# Altium PCB SONDE_2.PcbDoc (part 8 of 10) (continued)
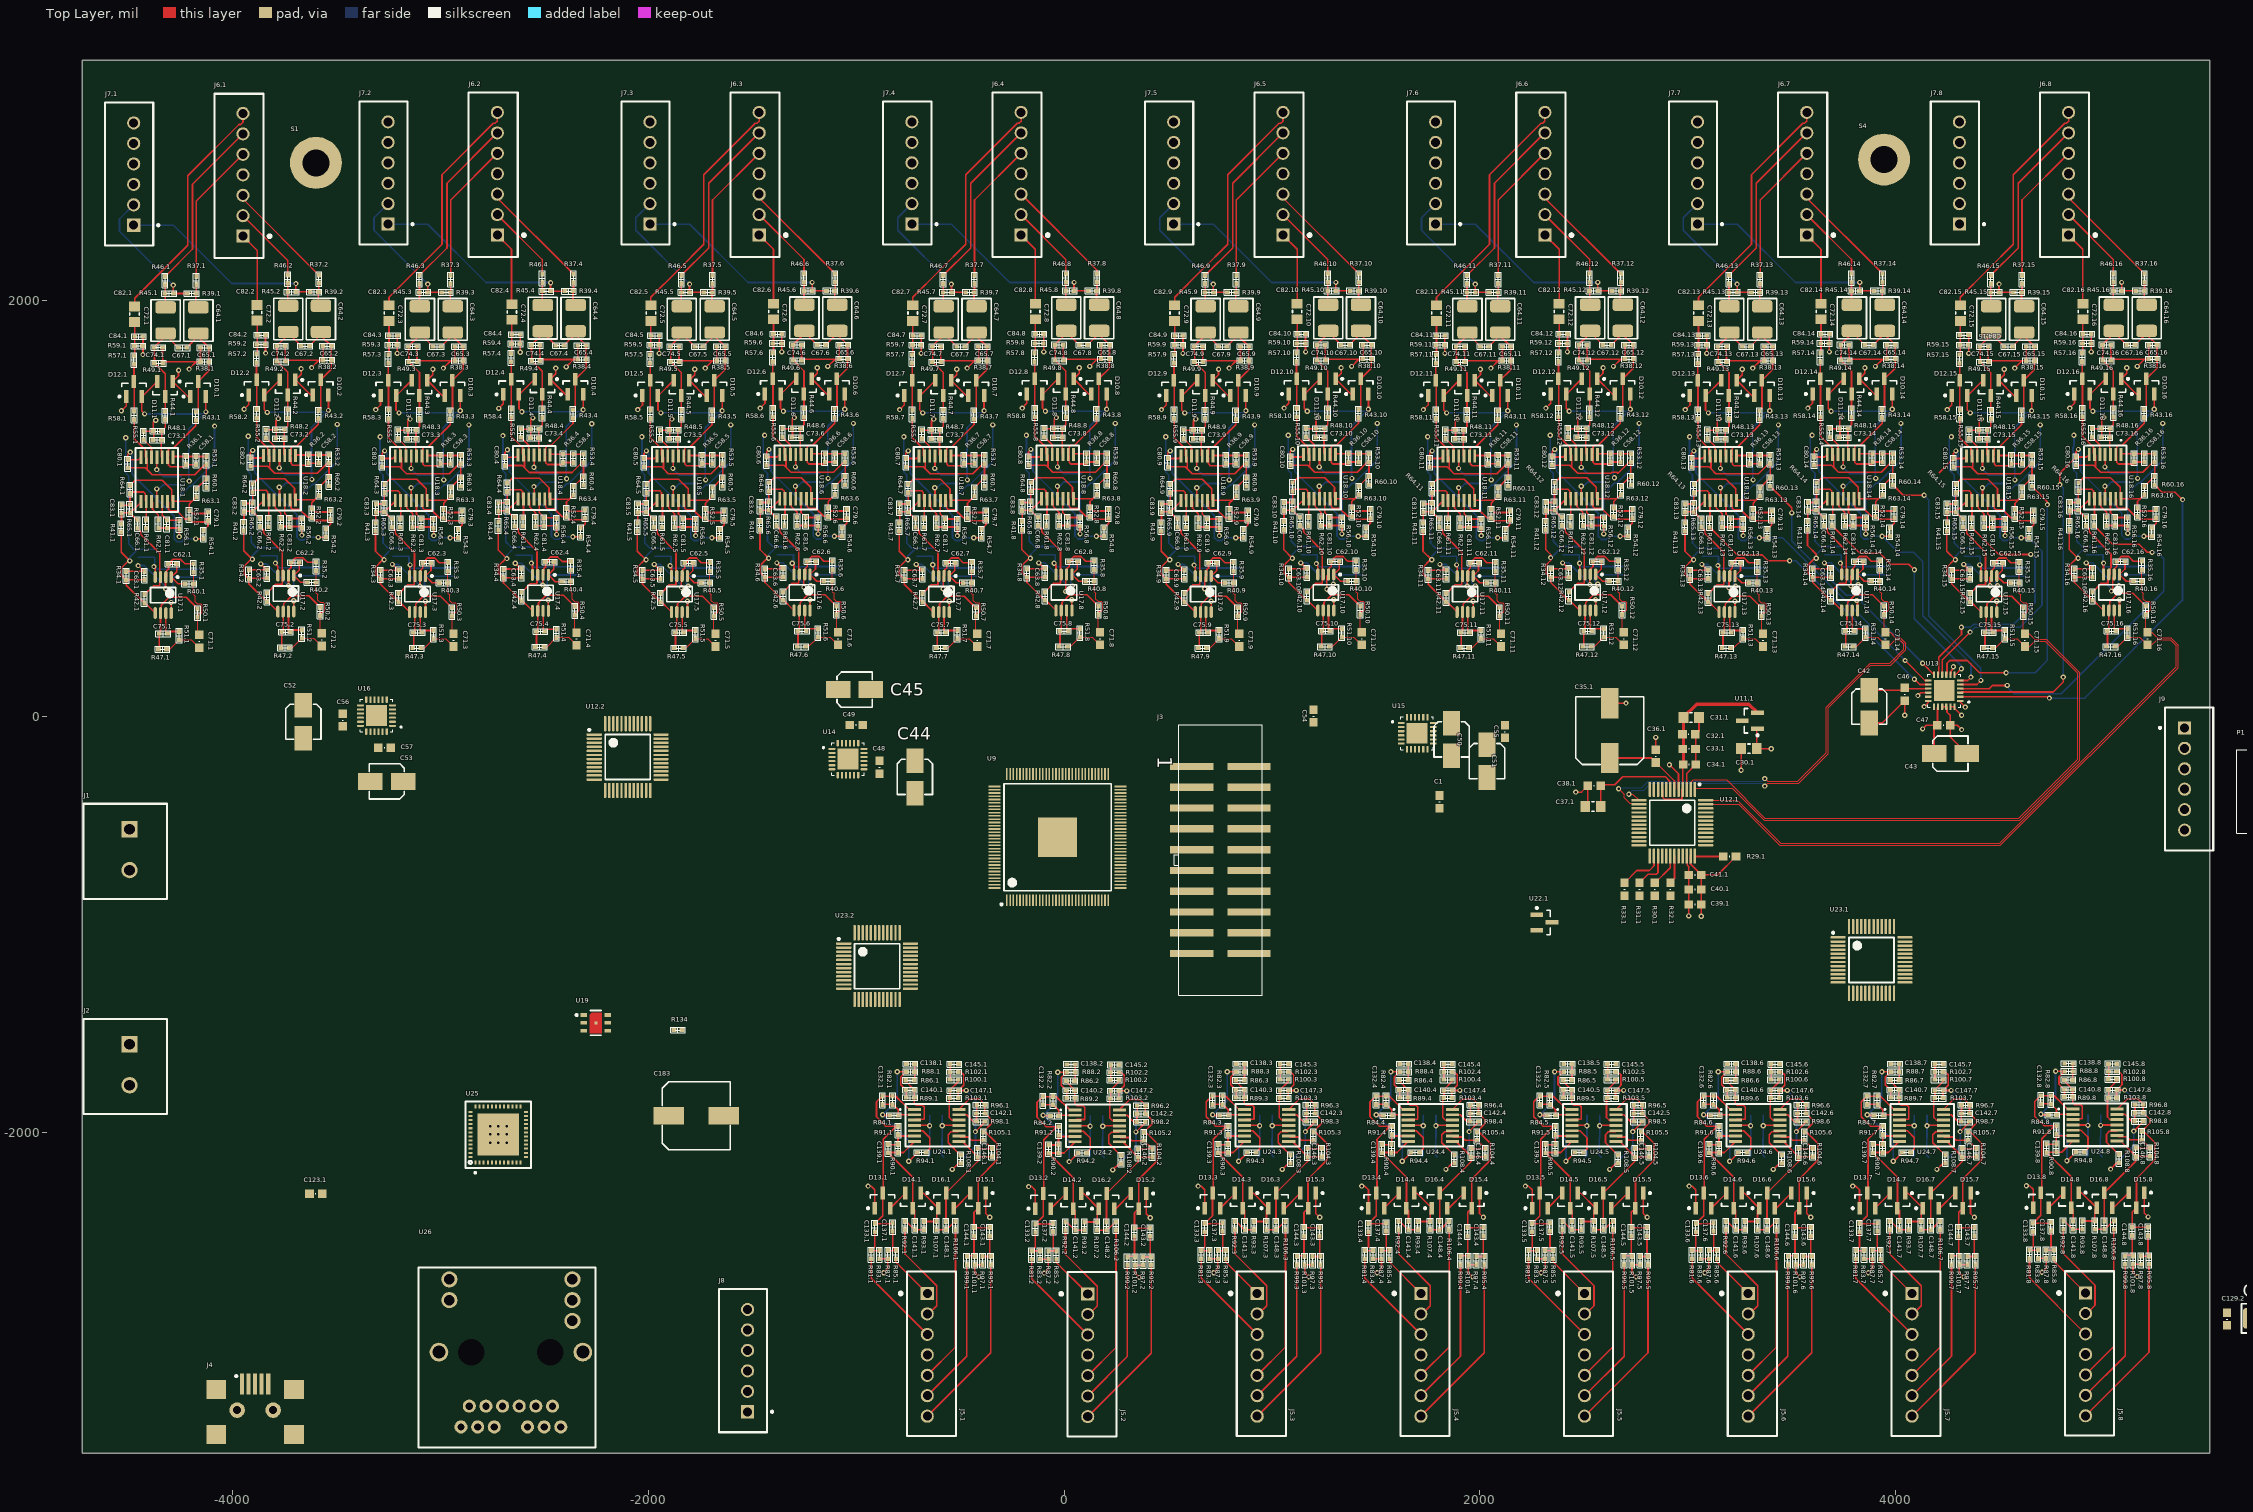
[diagram p0: Top Layer view]
## Nets (pads, with @x,y where several pads share a name; then routed paths per layer and width w, separated by ;. In a path a pad name is that pad's centre, name@x,y a point inside that pad or via, vN(x,y) a via of type N, cw(c..) or ccw(c..) an arc to the next point about the centre after c; other vN are vias at no path point) (continued)
NetC82.1_2: C82.1.2 C84.1.1 R57.1.2 R59.1.1 | length 162.5
  Top Layer w8: R59.1.1@-4472.82,1783.03 R59.1.1@-4471.61,1784.24 ; R57.1.2@-4471.61,1738.95 R59.1.1@-4471.61,1784.24 ; C82.1.2@-4471.61,1898.63 R59.1.1@-4471.61,1784.24 ; R59.1.1@-4470.82,1785.03 R59.1.1@-4471.61,1784.24
NetC82.2_1: C82.2.1 J6.1.1 | length 358.6
  Top Layer w8: J6.1.1@-3950.41,2311.15 -3881.94,2242.68 C82.2.1@-3881.94,1980.91
NetC82.2_2: C82.2.2 C84.2.1 R57.2.2 R59.2.1 | length 162.5
  Top Layer w8: R59.2.1@-3883.15,1790.51 R59.2.1@-3881.94,1791.71 ; R57.2.2@-3881.94,1746.42 R59.2.1@-3881.94,1791.71 ; C82.2.2@-3881.94,1906.11 R59.2.1@-3881.94,1791.71 ; R59.2.1@-3881.15,1792.51 R59.2.1@-3881.94,1791.71
NetC82.3_1: C82.3.1 J6.2.7 | length 1148.9
  Top Layer w8: C82.3.1@-3248.03,1978.57 -3248.03,2017.22 -3116.9,2148.35 -3116.85,2148.35 -2992.94,2272.25 -2992.94,2606.63 -2745.67,2853.91 -2737.63,2853.91 -2726.83,2864.71 J6.2.7@-2726.83,2906.84
NetC82.3_2: C82.3.2 C84.3.1 R57.3.2 R59.3.1 | length 162.5
  Top Layer w8: R59.3.1@-3249.24,1788.17 R59.3.1@-3248.03,1789.38 ; R57.3.2@-3248.03,1744.09 R59.3.1@-3248.03,1789.38 ; C82.3.2@-3248.03,1903.77 R59.3.1@-3248.03,1789.38 ; R59.3.1@-3247.24,1790.17 R59.3.1@-3248.03,1789.38
NetC82.4_1: C82.4.1 J6.2.1 | length 358.6
  Top Layer w8: J6.2.1@-2726.83,2316.28 -2658.36,2247.82 C82.4.1@-2658.36,1986.05
NetC82.4_2: C82.4.2 C84.4.1 R57.4.2 R59.4.1 | length 162.5
  Top Layer w8: R59.4.1@-2658.2,1793.76 R59.4.1@-2657,1794.97 ; R57.4.2@-2657,1749.68 R59.4.1@-2657,1794.97 ; C82.4.2@-2657,1909.36 R59.4.1@-2657,1794.97 ; R59.4.1@-2656.2,1795.76 R59.4.1@-2657,1794.97
NetC82.5_1: C82.5.1 J6.3.7 | length 1148.9
  Top Layer w8: C82.5.1@-1988.19,1978.57 -1988.19,2017.22 -1857.06,2148.35 -1857,2148.35 -1733.1,2272.25 -1733.1,2606.63 -1485.83,2853.91 -1477.79,2853.91 -1466.98,2864.71 J6.3.7@-1466.98,2906.84
NetC82.5_2: C82.5.2 C84.5.1 R57.5.2 R59.5.1 | length 162.5
  Top Layer w8: R59.5.1@-1989.39,1788.17 R59.5.1@-1988.19,1789.38 ; R57.5.2@-1988.19,1744.09 R59.5.1@-1988.19,1789.38 ; C82.5.2@-1988.19,1903.77 R59.5.1@-1988.19,1789.38 ; R59.5.1@-1987.39,1790.17 R59.5.1@-1988.19,1789.38
NetC82.6_1: C82.6.1 J6.3.1 | length 358.6
  Top Layer w8: J6.3.1@-1466.98,2316.28 -1398.52,2247.82 C82.6.1@-1398.52,1986.05
NetC82.6_2: C82.6.2 C84.6.1 R57.6.2 R59.6.1 | length 162.5
  Top Layer w8: R59.6.1@-1399.72,1795.65 R59.6.1@-1398.52,1796.85 ; R57.6.2@-1398.52,1751.56 R59.6.1@-1398.52,1796.85 ; C82.6.2@-1398.52,1911.25 R59.6.1@-1398.52,1796.85 ; R59.6.1@-1397.72,1797.65 R59.6.1@-1398.52,1796.85
NetC82.7_1: C82.7.1 J6.4.7 | length 1148.9
  Top Layer w8: C82.7.1@-728.35,1978.57 -728.35,2017.22 -597.22,2148.35 -597.16,2148.35 -473.26,2272.25 -473.26,2606.63 -225.99,2853.91 -217.94,2853.91 -207.14,2864.71 J6.4.7@-207.14,2906.84
NetC82.7_2: C82.7.2 C84.7.1 R57.7.2 R59.7.1 | length 162.5
  Top Layer w8: R59.7.1@-729.55,1788.17 R59.7.1@-728.35,1789.38 ; R57.7.2@-728.35,1744.09 R59.7.1@-728.35,1789.38 ; C82.7.2@-728.35,1903.77 R59.7.1@-728.35,1789.38 ; R59.7.1@-727.55,1790.17 R59.7.1@-728.35,1789.38
NetC82.8_1: C82.8.1 J6.4.1 | length 358.6
  Top Layer w8: J6.4.1@-207.14,2316.28 -138.67,2247.82 C82.8.1@-138.67,1986.05
NetC82.8_2: C82.8.2 C84.8.1 R57.8.2 R59.8.1 | length 162.5
  Top Layer w8: R59.8.1@-139.88,1795.65 R59.8.1@-138.67,1796.85 ; R57.8.2@-138.67,1751.56 R59.8.1@-138.67,1796.85 ; C82.8.2@-138.67,1911.25 R59.8.1@-138.67,1796.85 ; R59.8.1@-137.88,1797.65 R59.8.1@-138.67,1796.85
NetC82.9_1: C82.9.1 J6.5.7 | length 1148.9
  Top Layer w8: C82.9.1@531.5,1978.57 531.5,2017.22 662.63,2148.35 662.68,2148.35 786.58,2272.25 786.58,2606.63 1033.86,2853.91 1041.9,2853.91 1052.7,2864.71 J6.5.7@1052.7,2906.84
NetC82.9_2: C82.9.2 C84.9.1 R57.9.2 R59.9.1 | length 162.5
  Top Layer w8: R59.9.1@530.29,1788.17 R59.9.1@531.5,1789.38 ; R57.9.2@531.5,1744.09 R59.9.1@531.5,1789.38 ; C82.9.2@531.5,1903.77 R59.9.1@531.5,1789.38 ; R59.9.1@532.29,1790.17 R59.9.1@531.5,1789.38
NetC82.10_1: C82.10.1 J6.5.1 | length 358.6
  Top Layer w8: J6.5.1@1052.7,2316.28 1121.17,2247.82 C82.10.1@1121.17,1986.05
NetC82.10_2: C82.10.2 C84.10.1 R57.10.2 R59.10.1 | length 162.5
  Top Layer w8: R59.10.1@1119.96,1795.65 R59.10.1@1121.17,1796.85 ; R57.10.2@1121.17,1751.56 R59.10.1@1121.17,1796.85 ; C82.10.2@1121.17,1911.25 R59.10.1@1121.17,1796.85 ; R59.10.1@1121.96,1797.65 R59.10.1@1121.17,1796.85
NetC82.11_1: C82.11.1 J6.6.7 | length 1148.9
  Top Layer w8: C82.11.1@1791.34,1978.57 1791.34,2017.22 1922.47,2148.35 1922.52,2148.35 2046.43,2272.25 2046.43,2606.63 2293.7,2853.91 2301.74,2853.91 2312.54,2864.71 J6.6.7@2312.54,2906.84
NetC82.11_2: C82.11.2 C84.11.1 R57.11.2 R59.11.1 | length 162.5
  Top Layer w8: R59.11.1@1790.13,1788.17 R59.11.1@1791.34,1789.38 ; R57.11.2@1791.34,1744.09 R59.11.1@1791.34,1789.38 ; C82.11.2@1791.34,1903.77 R59.11.1@1791.34,1789.38 ; R59.11.1@1792.13,1790.17 R59.11.1@1791.34,1789.38
NetC82.12_1: C82.12.1 J6.6.1 | length 358.6
  Top Layer w8: J6.6.1@2312.54,2316.28 2381.01,2247.82 C82.12.1@2381.01,1986.05
NetC82.12_2: C82.12.2 C84.12.1 R57.12.2 R59.12.1 | length 162.5
  Top Layer w8: R59.12.1@2379.81,1795.65 R59.12.1@2381.01,1796.85 ; R57.12.2@2381.01,1751.56 R59.12.1@2381.01,1796.85 ; C82.12.2@2381.01,1911.25 R59.12.1@2381.01,1796.85 ; R59.12.1@2381.81,1797.65 R59.12.1@2381.01,1796.85
NetC82.13_1: C82.13.1 J6.7.7 | length 1148.9
  Top Layer w8: C82.13.1@3051.18,1978.57 3051.18,2017.22 3182.31,2148.35 3182.37,2148.35 3306.27,2272.25 3306.27,2606.63 3553.54,2853.91 3561.58,2853.91 3572.39,2864.71 J6.7.7@3572.39,2906.84
NetC82.13_2: C82.13.2 C84.13.1 R57.13.2 R59.13.1 | length 162.5
  Top Layer w8: R59.13.1@3049.98,1788.17 R59.13.1@3051.18,1789.38 ; R57.13.2@3051.18,1744.09 R59.13.1@3051.18,1789.38 ; C82.13.2@3051.18,1903.77 R59.13.1@3051.18,1789.38 ; R59.13.1@3051.98,1790.17 R59.13.1@3051.18,1789.38
NetC82.14_1: C82.14.1 J6.7.1 | length 358.6
  Top Layer w8: J6.7.1@3572.39,2316.28 3640.85,2247.82 C82.14.1@3640.85,1986.05
NetC82.14_2: C82.14.2 C84.14.1 R57.14.2 R59.14.1 | length 162.5
  Top Layer w8: R59.14.1@3639.65,1795.65 R59.14.1@3640.85,1796.85 ; R57.14.2@3640.85,1751.56 R59.14.1@3640.85,1796.85 ; C82.14.2@3640.85,1911.25 R59.14.1@3640.85,1796.85 ; R59.14.1@3641.65,1797.65 R59.14.1@3640.85,1796.85
NetC82.15_1: C82.15.1 J6.8.7 | length 1148.9
  Top Layer w8: C82.15.1@4311.02,1978.57 4311.02,2017.22 4442.15,2148.35 4442.21,2148.35 4566.11,2272.25 4566.11,2606.63 4813.38,2853.91 4821.43,2853.91 4832.23,2864.71 J6.8.7@4832.23,2906.84
NetC82.15_2: C82.15.2 C84.15.1 R57.15.2 R59.15.1 | length 162.5
  Top Layer w8: R59.15.1@4309.82,1788.17 R59.15.1@4311.02,1789.38 ; R57.15.2@4311.02,1744.09 R59.15.1@4311.02,1789.38 ; C82.15.2@4311.02,1903.77 R59.15.1@4311.02,1789.38 ; R59.15.1@4311.82,1790.17 R59.15.1@4311.02,1789.38
NetC82.16_1: C82.16.1 J6.8.1 | length 358.6
  Top Layer w8: J6.8.1@4832.23,2316.28 4900.7,2247.82 C82.16.1@4900.7,1986.05
NetC82.16_2: C82.16.2 C84.16.1 R57.16.2 R59.16.1 | length 162.5
  Top Layer w8: R59.16.1@4899.49,1795.65 R59.16.1@4900.7,1796.85 ; R57.16.2@4900.7,1751.56 R59.16.1@4900.7,1796.85 ; C82.16.2@4900.7,1911.25 R59.16.1@4900.7,1796.85 ; R59.16.1@4901.49,1797.65 R59.16.1@4900.7,1796.85
NetC83.1_1: C83.1.1 R61.1.1 R64.1.1 R65.1.2 U18.1.9 | length 309.4
  Top Layer w8: C83.1.1@-4534.84,1017.75 -4496.55,1017.4 R65.1.2@-4494.55,1019.4 -4493.55,1020.4 R64.1.1@-4493.55,1073.03 -4493.55,1080.85 -4428.64,1080.85 -4420.44,1072.65 -4420.44,1040.06 U18.1.9@-4415.74,1035.36 -4415.74,947.22 R61.1.1@-4417.55,945.4
NetC83.2_1: C83.2.1 R61.2.1 R64.2.1 R65.2.2 U18.2.9 | length 309.4
  Top Layer w8: C83.2.1@-3945.17,1025.22 -3906.88,1024.88 R65.2.2@-3904.88,1026.88 -3903.88,1027.88 R64.2.1@-3903.88,1080.51 -3903.88,1088.33 -3838.97,1088.33 -3830.76,1080.13 -3830.76,1047.53 U18.2.9@-3826.06,1042.83 -3826.06,954.7 R61.2.1@-3827.88,952.88
NetC83.3_1: C83.3.1 R61.3.1 R64.3.1 R65.3.2 U18.3.9 | length 309.4
  Top Layer w8: C83.3.1@-3311.26,1022.88 -3272.97,1022.54 R65.3.2@-3270.97,1024.54 -3269.97,1025.54 R64.3.1@-3269.97,1078.17 -3269.97,1085.99 -3205.06,1085.99 -3196.85,1077.79 -3196.85,1045.2 U18.3.9@-3192.15,1040.49 -3192.15,952.36 R61.3.1@-3193.97,950.54
NetC83.4_1: C83.4.1 R61.4.1 R64.4.1 R65.4.2 U18.4.9 | length 309.4
  Top Layer w8: C83.4.1@-2720.23,1028.47 -2681.94,1028.13 R65.4.2@-2679.94,1030.13 -2678.94,1031.13 R64.4.1@-2678.94,1083.76 -2678.94,1091.58 -2614.02,1091.58 -2605.82,1083.38 -2605.82,1050.79 U18.4.9@-2601.12,1046.08 -2601.12,957.95 R61.4.1@-2602.94,956.13
NetC83.5_1: C83.5.1 R61.5.1 R64.5.1 R65.5.2 U18.5.9 | length 309.4
  Top Layer w8: C83.5.1@-2051.42,1022.88 -2013.13,1022.54 R65.5.2@-2011.13,1024.54 -2010.13,1025.54 R64.5.1@-2010.13,1078.17 -2010.13,1085.99 -1945.21,1085.99 -1937.01,1077.79 -1937.01,1045.2 U18.5.9@-1932.31,1040.49 -1932.31,952.36 R61.5.1@-1934.13,950.54
NetC83.6_1: C83.6.1 R61.6.1 R64.6.1 R65.6.2 U18.6.9 | length 309.4
  Top Layer w8: C83.6.1@-1461.74,1030.36 -1423.46,1030.02 R65.6.2@-1421.46,1032.02 -1420.46,1033.02 R64.6.1@-1420.46,1085.65 -1420.46,1093.47 -1355.54,1093.47 -1347.34,1085.27 -1347.34,1052.67 U18.6.9@-1342.64,1047.97 -1342.64,959.84 R61.6.1@-1344.46,958.02
NetC83.7_1: C83.7.1 R61.7.1 R64.7.1 R65.7.2 U18.7.9 | length 309.4
  Top Layer w8: C83.7.1@-791.57,1022.88 -753.29,1022.54 R65.7.2@-751.29,1024.54 -750.29,1025.54 R64.7.1@-750.29,1078.17 -750.29,1085.99 -685.37,1085.99 -677.17,1077.79 -677.17,1045.2 U18.7.9@-672.47,1040.49 -672.47,952.36 R61.7.1@-674.29,950.54
NetC83.8_1: C83.8.1 R61.8.1 R64.8.1 R65.8.2 U18.8.9 | length 309.4
  Top Layer w8: C83.8.1@-201.9,1030.36 -163.62,1030.02 R65.8.2@-161.62,1032.02 -160.62,1033.02 R64.8.1@-160.62,1085.65 -160.62,1093.47 -95.7,1093.47 -87.5,1085.27 -87.5,1052.67 U18.8.9@-82.8,1047.97 -82.8,959.84 R61.8.1@-84.62,958.02
NetC83.9_1: C83.9.1 R61.9.1 R64.9.1 R65.9.2 U18.9.9 | length 309.4
  Top Layer w8: C83.9.1@468.27,1022.88 506.55,1022.54 R65.9.2@508.56,1024.54 509.56,1025.54 R64.9.1@509.56,1078.17 509.56,1085.99 574.47,1085.99 582.67,1077.79 582.67,1045.2 U18.9.9@587.37,1040.49 587.37,952.36 R61.9.1@585.56,950.54
NetC83.10_1: C83.10.1 R61.10.1 R64.1 R65.10.2 U18.10.9 | length 309.4
  Top Layer w8: C83.10.1@1057.94,1030.36 1096.23,1030.02 R65.10.2@1098.23,1032.02 1099.23,1033.02 R64.1@1099.23,1085.65 1099.23,1093.47 1164.14,1093.47 1172.35,1085.27 1172.35,1052.67 U18.10.9@1177.05,1047.97 1177.05,959.84 R61.10.1@1175.23,958.02
NetC83.11_1: C83.11.1 R61.11.1 R64.11.1 R65.11.2 U18.11.9 | length 309.4
  Top Layer w8: C83.11.1@1728.11,1022.88 1766.4,1022.54 R65.11.2@1768.4,1024.54 1769.4,1025.54 R64.11.1@1769.4,1078.17 1769.4,1085.99 1834.31,1085.99 1842.52,1077.79 1842.52,1045.2 U18.11.9@1847.22,1040.49 1847.22,952.36 R61.11.1@1845.4,950.54
NetC83.12_1: C83.12.1 R61.12.1 R64.12.1 R65.12.2 U18.12.9 | length 309.4
  Top Layer w8: C83.12.1@2317.78,1030.36 2356.07,1030.02 R65.12.2@2358.07,1032.02 2359.07,1033.02 R64.12.1@2359.07,1085.65 2359.07,1093.47 2423.99,1093.47 2432.19,1085.27 2432.19,1052.67 U18.12.9@2436.89,1047.97 2436.89,959.84 R61.12.1@2435.07,958.02
NetC83.13_1: C83.13.1 R61.13.1 R64.13.1 R65.13.2 U18.13.9 | length 309.4
  Top Layer w8: C83.13.1@2987.95,1022.88 3026.24,1022.54 R65.13.2@3028.24,1024.54 3029.24,1025.54 R64.13.1@3029.24,1078.17 3029.24,1085.99 3094.16,1085.99 3102.36,1077.79 3102.36,1045.2 U18.13.9@3107.06,1040.49 3107.06,952.36 R61.13.1@3105.24,950.54
NetC83.14_1: C83.14.1 R61.14.1 R64.14.1 R65.14.2 U18.14.9 | length 309.4
  Top Layer w8: C83.14.1@3577.63,1030.36 3615.91,1030.02 R65.14.2@3617.91,1032.02 3618.91,1033.02 R64.14.1@3618.91,1085.65 3618.91,1093.47 3683.83,1093.47 3692.03,1085.27 3692.03,1052.67 U18.14.9@3696.73,1047.97 3696.73,959.84 R61.14.1@3694.91,958.02
NetC83.15_1: C83.15.1 R61.15.1 R64.15.1 R65.15.2 U18.15.9 | length 309.4
  Top Layer w8: C83.15.1@4247.8,1022.88 4286.08,1022.54 R65.15.2@4288.08,1024.54 4289.08,1025.54 R64.15.1@4289.08,1078.17 4289.08,1085.99 4354,1085.99 4362.2,1077.79 4362.2,1045.2 U18.15.9@4366.9,1040.49 4366.9,952.36 R61.15.1@4365.08,950.54
NetC83.16_1: C83.16.1 R61.16.1 R64.16.1 R65.16.2 U18.16.9 | length 309.4
  Top Layer w8: C83.16.1@4837.47,1030.36 4875.75,1030.02 R65.16.2@4877.75,1032.02 4878.75,1033.02 R64.16.1@4878.75,1085.65 4878.75,1093.47 4943.67,1093.47 4951.87,1085.27 4951.87,1052.67 U18.16.9@4956.57,1047.97 4956.57,959.84 R61.16.1@4954.75,958.02
NetC85_2: C85.2 U20.8
NetC86_1: C86.1 U20.1
NetC86_2: C86.2 L6.1 U20.3
NetC88_1: C88.1 L4.2 L5.1 R67.1
NetC92_1: C92.1 C95.1 U20.6
NetC92_2: C92.2 R72.1
NetC96_1: C96.1 R68.2 R71.1 U19.6
NetC97_1: C97.1 R76.2 U9.103
NetC124.1_1: C124.1.1 C125.1.1 U22.1.2 U23.1.4
NetC124.2_1: C124.2.1 C125.2.1 U22.2.2 U23.2.4
NetC126.1_+: C126.1.+ C130.1.1 U23.1.20
NetC126.2_+: C126.2.+ C130.2.1 U23.2.20
NetC128.1_1: C128.1.1 C129.1.1 U23.1.21
NetC128.2_1: C128.2.1 C129.2.1 U23.2.21
NetC132.1_1: C132.1.1 R82.1.2 R84.1.1 U24.1.2 | length 193.1
  Top Layer w8: C132.1.1@-873.39,-1865.15 R82.1.2@-825.08,-1865.15 -798.39,-1891.83 R84.1.1@-798.39,-1918.46 -795.21,-1915.28 U24.1.2@-719.31,-1915.28
NetC132.1_2: C132.1.2 C133.1.1 C137.1.1 D13.1.3 R82.1.1 R91.1.2 R130.2 U24.1.1 | length 1015.3
  Top Layer w8: C137.1.1@-825.08,-2435.5 -828.35,-2438.78 C133.1.1@-910.79,-2438.78 -873.39,-2401.37 D13.1.3@-873.39,-2292.04 -869.92,-2288.57 -869.92,-2032.96 R91.1.2@-807.73,-1970.78 ; R91.1.2@-798.08,-1970.78 R91.1.2@-807.73,-1970.78 ; U24.1.1@-719.31,-1889.69 -745.85,-1889.69 -809.76,-1825.78 R82.1.1@-825.08,-1825.78 C132.1.2@-873.39,-1825.78 -875.48,-1825.78 -903.08,-1853.38 -903.08,-1925.46 -857.76,-1970.78 R91.1.2@-807.73,-1970.78
NetC132.2_1: C132.2.1 R82.2.2 R84.2.1 U24.2.2 | length 193.1
  Top Layer w8: C132.2.1@-101.31,-1867.23 R82.2.2@-53,-1867.23 -26.31,-1893.91 R84.2.1@-26.31,-1920.54 -23.13,-1917.36 U24.2.2@52.76,-1917.36
NetC132.2_2: C132.2.2 C133.2.1 C137.2.1 D13.2.3 R82.2.1 R91.2.2 U24.2.1 | length 1015.3
  Top Layer w8: C137.2.1@-53,-2437.58 -56.28,-2440.86 C133.2.1@-138.72,-2440.86 -101.31,-2403.46 D13.2.3@-101.31,-2294.13 -97.84,-2290.65 -97.84,-2035.05 R91.2.2@-35.65,-1972.86 ; R91.2.2@-26,-1972.86 R91.2.2@-35.65,-1972.86 ; U24.2.1@52.76,-1891.77 26.23,-1891.77 -37.68,-1827.86 R82.2.1@-53,-1827.86 C132.2.2@-101.31,-1827.86 -103.4,-1827.86 -131,-1855.46 -131,-1927.54 -85.69,-1972.86 R91.2.2@-35.65,-1972.86
NetC132.3_1: C132.3.1 R82.3.2 R84.3.1 U24.3.2 | length 193.1
  Top Layer w8: C132.3.1@713.86,-1865.15 R82.3.2@762.18,-1865.15 788.86,-1891.83 R84.3.1@788.86,-1918.46 792.04,-1915.28 U24.3.2@867.94,-1915.28
NetC132.3_2: C132.3.2 C133.3.1 C137.3.1 D13.3.3 R82.3.1 R91.3.2 U24.3.1 | length 1015.3
  Top Layer w8: C137.3.1@762.18,-2435.5 758.9,-2438.78 C133.3.1@676.46,-2438.78 713.86,-2401.37 D13.3.3@713.86,-2292.04 717.33,-2288.57 717.33,-2032.96 R91.3.2@779.52,-1970.78 ; R91.3.2@789.18,-1970.78 R91.3.2@779.52,-1970.78 ; U24.3.1@867.94,-1889.69 841.4,-1889.69 777.49,-1825.78 R82.3.1@762.18,-1825.78 C132.3.2@713.86,-1825.78 711.78,-1825.78 684.18,-1853.38 684.18,-1925.46 729.49,-1970.78 R91.3.2@779.52,-1970.78
NetC132.4_1: C132.4.1 R82.4.2 R84.4.1 U24.4.2 | length 193.1
  Top Layer w8: C132.4.1@1501.26,-1865.15 R82.4.2@1549.58,-1865.15 1576.26,-1891.83 R84.4.1@1576.26,-1918.46 1579.44,-1915.28 U24.4.2@1655.34,-1915.28
NetC132.4_2: C132.4.2 C133.4.1 C137.4.1 D13.4.3 R82.4.1 R91.4.2 U24.4.1 | length 1015.3
  Top Layer w8: C137.4.1@1549.58,-2435.5 1546.3,-2438.78 C133.4.1@1463.86,-2438.78 1501.26,-2401.37 D13.4.3@1501.26,-2292.04 1504.74,-2288.57 1504.74,-2032.96 R91.4.2@1566.92,-1970.78 ; R91.4.2@1576.58,-1970.78 R91.4.2@1566.92,-1970.78 ; U24.4.1@1655.34,-1889.69 1628.81,-1889.69 1564.89,-1825.78 R82.4.1@1549.58,-1825.78 C132.4.2@1501.26,-1825.78 1499.18,-1825.78 1471.58,-1853.38 1471.58,-1925.46 1516.89,-1970.78 R91.4.2@1566.92,-1970.78
NetC132.5_1: C132.5.1 R82.5.2 R84.5.1 U24.5.2 | length 193.1
  Top Layer w8: C132.5.1@2288.66,-1865.15 R82.5.2@2336.98,-1865.15 2363.66,-1891.83 R84.5.1@2363.66,-1918.46 2366.85,-1915.28 U24.5.2@2442.74,-1915.28
NetC132.5_2: C132.5.2 C133.5.1 C137.5.1 D13.5.3 R82.5.1 R91.5.2 U24.5.1 | length 1015.3
  Top Layer w8: C137.5.1@2336.98,-2435.5 2333.7,-2438.78 C133.5.1@2251.26,-2438.78 2288.66,-2401.37 D13.5.3@2288.66,-2292.04 2292.14,-2288.57 2292.14,-2032.96 R91.5.2@2354.33,-1970.78 ; R91.5.2@2363.98,-1970.78 R91.5.2@2354.33,-1970.78 ; U24.5.1@2442.74,-1889.69 2416.21,-1889.69 2352.29,-1825.78 R82.5.1@2336.98,-1825.78 C132.5.2@2288.66,-1825.78 2286.58,-1825.78 2258.98,-1853.38 2258.98,-1925.46 2304.29,-1970.78 R91.5.2@2354.33,-1970.78
NetC132.6_1: C132.6.1 R82.6.2 R84.6.1 U24.6.2 | length 193.1
  Top Layer w8: C132.6.1@3076.07,-1865.15 R82.6.2@3124.38,-1865.15 3151.07,-1891.83 R84.6.1@3151.07,-1918.46 3154.25,-1915.28 U24.6.2@3230.14,-1915.28
NetC132.6_2: C132.6.2 C133.6.1 C137.6.1 D13.6.3 R82.6.1 R91.6.2 U24.6.1 | length 1015.3
  Top Layer w8: C137.6.1@3124.38,-2435.5 3121.11,-2438.78 C133.6.1@3038.66,-2438.78 3076.07,-2401.37 D13.6.3@3076.07,-2292.04 3079.54,-2288.57 3079.54,-2032.96 R91.6.2@3141.73,-1970.78 ; R91.6.2@3151.38,-1970.78 R91.6.2@3141.73,-1970.78 ; U24.6.1@3230.14,-1889.69 3203.61,-1889.69 3139.7,-1825.78 R82.6.1@3124.38,-1825.78 C132.6.2@3076.07,-1825.78 3073.98,-1825.78 3046.38,-1853.38 3046.38,-1925.46 3091.7,-1970.78 R91.6.2@3141.73,-1970.78
NetC132.7_1: C132.7.1 R82.7.2 R84.7.1 U24.7.2 | length 193.1
  Top Layer w8: C132.7.1@3863.47,-1865.15 R82.7.2@3911.78,-1865.15 3938.47,-1891.83 R84.7.1@3938.47,-1918.46 3941.65,-1915.28 U24.7.2@4017.55,-1915.28
NetC132.7_2: C132.7.2 C133.7.1 C137.7.1 D13.7.3 R82.7.1 R91.7.2 U24.7.1 | length 1015.3
  Top Layer w8: C137.7.1@3911.78,-2435.5 3908.51,-2438.78 C133.7.1@3826.07,-2438.78 3863.47,-2401.37 D13.7.3@3863.47,-2292.04 3866.94,-2288.57 3866.94,-2032.96 R91.7.2@3929.13,-1970.78 ; R91.7.2@3938.78,-1970.78 R91.7.2@3929.13,-1970.78 ; U24.7.1@4017.55,-1889.69 3991.01,-1889.69 3927.1,-1825.78 R82.7.1@3911.78,-1825.78 C132.7.2@3863.47,-1825.78 3861.39,-1825.78 3833.78,-1853.38 3833.78,-1925.46 3879.1,-1970.78 R91.7.2@3929.13,-1970.78
NetC132.8_1: C132.8.1 R82.8.2 R84.8.1 U24.8.2 | length 193.1
  Top Layer w8: C132.8.1@4698.69,-1863.06 R82.8.2@4747,-1863.06 4773.69,-1889.75 R84.8.1@4773.69,-1916.38 4776.87,-1913.2 U24.8.2@4852.76,-1913.2
NetC132.8_2: C132.8.2 C133.8.1 C137.8.1 D13.8.3 R82.8.1 R91.8.2 U24.8.1 | length 1015.3
  Top Layer w8: C137.8.1@4747,-2433.42 4743.72,-2436.69 C133.8.1@4661.28,-2436.69 4698.69,-2399.29 D13.8.3@4698.69,-2289.96 4702.16,-2286.49 4702.16,-2030.88 R91.8.2@4764.35,-1968.69 ; R91.8.2@4774,-1968.69 R91.8.2@4764.35,-1968.69 ; U24.8.1@4852.76,-1887.61 4826.23,-1887.61 4762.32,-1823.69 R82.8.1@4747,-1823.69 C132.8.2@4698.69,-1823.69 4696.6,-1823.69 4669,-1851.3 4669,-1923.38 4714.31,-1968.69 R91.8.2@4764.35,-1968.69
NetC133.1_2: C133.1.2 R81.1.2 R83.1.2 | length 137.8
  Top Layer w8: C133.1.2@-910.79,-2478.15 -910.79,-2551.49 R81.1.2@-928.08,-2568.78 R83.1.2@-888.08,-2568.78
NetC133.2_2: C133.2.2 R81.2.2 R83.2.2 | length 137.8
  Top Layer w8: C133.2.2@-138.72,-2480.23 -138.72,-2553.57 R81.2.2@-156,-2570.86 R83.2.2@-116,-2570.86
NetC133.3_2: C133.3.2 R81.3.2 R83.3.2 | length 137.8
  Top Layer w8: C133.3.2@676.46,-2478.15 676.46,-2551.49 R81.3.2@659.18,-2568.78 R83.3.2@699.18,-2568.78
NetC133.4_2: C133.4.2 R81.4.2 R83.4.2 | length 137.8
  Top Layer w8: C133.4.2@1463.86,-2478.15 1463.86,-2551.49 R81.4.2@1446.58,-2568.78 R83.4.2@1486.58,-2568.78
NetC133.5_2: C133.5.2 R81.5.2 R83.5.2 | length 137.8
  Top Layer w8: C133.5.2@2251.26,-2478.15 2251.26,-2551.49 R81.5.2@2233.98,-2568.78 R83.5.2@2273.98,-2568.78
NetC133.6_2: C133.6.2 R81.6.2 R83.6.2 | length 137.8
  Top Layer w8: C133.6.2@3038.66,-2478.15 3038.66,-2551.49 R81.6.2@3021.38,-2568.78 R83.6.2@3061.38,-2568.78
NetC133.7_2: C133.7.2 R81.7.2 R83.7.2 | length 137.8
  Top Layer w8: C133.7.2@3826.07,-2478.15 3826.07,-2551.49 R81.7.2@3808.78,-2568.78 R83.7.2@3848.78,-2568.78
NetC133.8_2: C133.8.2 R81.8.2 R83.8.2 | length 137.8
  Top Layer w8: C133.8.2@4661.28,-2476.06 4661.28,-2549.41 R81.8.2@4644,-2566.69 R83.8.2@4684,-2566.69
NetC137.1_2: C137.1.2 R85.1.2 R87.1.2 | length 138.6
  Top Layer w8: R87.1.2@-848.08,-2568.78 R85.1.2@-809.76,-2568.78 -825.08,-2553.46 C137.1.2@-825.08,-2474.87
NetC137.2_2: C137.2.2 R85.2.2 R87.2.2 | length 138.6
  Top Layer w8: R87.2.2@-76,-2570.86 R85.2.2@-37.69,-2570.86 -53,-2555.54 C137.2.2@-53,-2476.95
NetC137.3_2: C137.3.2 R85.3.2 R87.3.2 | length 138.6
  Top Layer w8: R87.3.2@739.18,-2568.78 R85.3.2@777.49,-2568.78 762.18,-2553.46 C137.3.2@762.18,-2474.87
NetC137.4_2: C137.4.2 R85.4.2 R87.4.2 | length 138.6
  Top Layer w8: R87.4.2@1526.58,-2568.78 R85.4.2@1564.89,-2568.78 1549.58,-2553.46 C137.4.2@1549.58,-2474.87
NetC137.5_2: C137.5.2 R85.5.2 R87.5.2 | length 138.6
  Top Layer w8: R87.5.2@2313.98,-2568.78 R85.5.2@2352.29,-2568.78 2336.98,-2553.46 C137.5.2@2336.98,-2474.87
NetC137.6_2: C137.6.2 R85.6.2 R87.6.2 | length 138.6
  Top Layer w8: R87.6.2@3101.38,-2568.78 R85.6.2@3139.7,-2568.78 3124.38,-2553.46 C137.6.2@3124.38,-2474.87
NetC137.7_2: C137.7.2 R85.7.2 R87.7.2 | length 138.6
  Top Layer w8: R87.7.2@3888.78,-2568.78 R85.7.2@3927.1,-2568.78 3911.78,-2553.46 C137.7.2@3911.78,-2474.87
NetC137.8_2: C137.8.2 R85.8.2 R87.8.2 | length 138.6
  Top Layer w8: R87.8.2@4724,-2566.69 R85.8.2@4762.31,-2566.69 4747,-2551.38 C137.8.2@4747,-2472.79
NetC138.1_2: C138.1.2 R86.1.1 R88.1.2 | length 79.8
  Top Layer w8: R86.1.1@-721.39,-1749.46 -719.39,-1747.46 R88.1.2@-719.39,-1708.46 C138.1.2@-719.39,-1670.46
NetC138.2_2: C138.2.2 R86.2.1 R88.2.2 | length 79.8
  Top Layer w8: R86.2.1@50.69,-1751.54 52.69,-1749.54 R88.2.2@52.69,-1710.54 C138.2.2@52.69,-1672.54
NetC138.3_2: C138.3.2 R86.3.1 R88.3.2 | length 79.8
  Top Layer w8: R86.3.1@865.86,-1749.46 867.86,-1747.46 R88.3.2@867.86,-1708.46 C138.3.2@867.86,-1670.46
NetC138.4_2: C138.4.2 R86.4.1 R88.4.2 | length 79.8
  Top Layer w8: R86.4.1@1653.26,-1749.46 1655.26,-1747.46 R88.4.2@1655.26,-1708.46 C138.4.2@1655.26,-1670.46
NetC138.5_2: C138.5.2 R86.5.1 R88.5.2 | length 79.8
  Top Layer w8: R86.5.1@2440.66,-1749.46 2442.66,-1747.46 R88.5.2@2442.66,-1708.46 C138.5.2@2442.66,-1670.46
NetC138.6_2: C138.6.2 R86.6.1 R88.6.2 | length 79.8
  Top Layer w8: R86.6.1@3228.07,-1749.46 3230.07,-1747.46 R88.6.2@3230.07,-1708.46 C138.6.2@3230.07,-1670.46
NetC138.7_2: C138.7.2 R86.7.1 R88.7.2 | length 79.8
  Top Layer w8: R86.7.1@4015.47,-1749.46 4017.47,-1747.46 R88.7.2@4017.47,-1708.46 C138.7.2@4017.47,-1670.46
NetC138.8_2: C138.8.2 R86.8.1 R88.8.2 | length 79.8
  Top Layer w8: R86.8.1@4850.69,-1747.38 4852.69,-1745.38 R88.8.2@4852.69,-1706.38 C138.8.2@4852.69,-1668.38
NetC139.1_1: C139.1.1 R90.1.2 R91.1.1 U24.1.6 | length 177.3
  Top Layer w8: C139.1.1@-846.08,-2058.78 -800.08,-2058.78 R90.1.2@-799.08,-2057.78 -799.08,-2011.15 R91.1.1@-798.08,-2010.15 -790.58,-2017.64 U24.1.6@-719.31,-2017.64
NetC139.1_2: C139.1.2 C141.1.1 D14.1.3 R90.1.1 U24.1.7 | length 533.2
  Top Layer w8: U24.1.7@-719.31,-2043.23 -773.23,-2097.15 R90.1.1@-799.08,-2097.15 -845.08,-2097.15 C139.1.2@-846.08,-2098.15 -728.08,-2216.15 D14.1.3@-728.08,-2364.88 -718.08,-2374.88 C141.1.1@-718.08,-2428.78
NetC139.2_1: C139.2.1 R90.2.2 R91.2.1 U24.2.6 | length 177.3
  Top Layer w8: C139.2.1@-74,-2060.86 -28,-2060.86 R90.2.2@-27,-2059.86 -27,-2013.23 R91.2.1@-26,-2012.23 -18.5,-2019.72 U24.2.6@52.76,-2019.72
NetC139.2_2: C139.2.2 C141.2.1 D14.2.3 R90.2.1 U24.2.7 | length 533.2
  Top Layer w8: U24.2.7@52.76,-2045.31 -1.15,-2099.23 R90.2.1@-27,-2099.23 -73,-2099.23 C139.2.2@-74,-2100.23 44,-2218.23 D14.2.3@44,-2366.96 54,-2376.96 C141.2.1@54,-2430.86
NetC139.3_1: C139.3.1 R90.3.2 R91.3.1 U24.3.6 | length 177.3
  Top Layer w8: C139.3.1@741.18,-2058.78 787.18,-2058.78 R90.3.2@788.18,-2057.78 788.18,-2011.15 R91.3.1@789.18,-2010.15 796.67,-2017.64 U24.3.6@867.94,-2017.64
NetC139.3_2: C139.3.2 C141.3.1 D14.3.3 R90.3.1 U24.3.7 | length 533.2
  Top Layer w8: U24.3.7@867.94,-2043.23 814.03,-2097.15 R90.3.1@788.18,-2097.15 742.18,-2097.15 C139.3.2@741.18,-2098.15 859.18,-2216.15 D14.3.3@859.18,-2364.88 869.18,-2374.88 C141.3.1@869.18,-2428.78
NetC139.4_1: C139.4.1 R90.4.2 R91.4.1 U24.4.6 | length 177.3
  Top Layer w8: C139.4.1@1528.58,-2058.78 1574.58,-2058.78 R90.4.2@1575.58,-2057.78 1575.58,-2011.15 R91.4.1@1576.58,-2010.15 1584.07,-2017.64 U24.4.6@1655.34,-2017.64
NetC139.4_2: C139.4.2 C141.4.1 D14.4.3 R90.4.1 U24.4.7 | length 533.2
  Top Layer w8: U24.4.7@1655.34,-2043.23 1601.43,-2097.15 R90.4.1@1575.58,-2097.15 1529.58,-2097.15 C139.4.2@1528.58,-2098.15 1646.58,-2216.15 D14.4.3@1646.58,-2364.88 1656.58,-2374.88 C141.4.1@1656.58,-2428.78
NetC139.5_1: C139.5.1 R90.5.2 R91.5.1 U24.5.6 | length 177.3
  Top Layer w8: C139.5.1@2315.98,-2058.78 2361.98,-2058.78 R90.5.2@2362.98,-2057.78 2362.98,-2011.15 R91.5.1@2363.98,-2010.15 2371.48,-2017.64 U24.5.6@2442.74,-2017.64
NetC139.5_2: C139.5.2 C141.5.1 D14.5.3 R90.5.1 U24.5.7 | length 533.2
  Top Layer w8: U24.5.7@2442.74,-2043.23 2388.83,-2097.15 R90.5.1@2362.98,-2097.15 2316.98,-2097.15 C139.5.2@2315.98,-2098.15 2433.98,-2216.15 D14.5.3@2433.98,-2364.88 2443.98,-2374.88 C141.5.1@2443.98,-2428.78
NetC139.6_1: C139.6.1 R90.6.2 R91.6.1 U24.6.6 | length 177.3
  Top Layer w8: C139.6.1@3103.38,-2058.78 3149.38,-2058.78 R90.6.2@3150.38,-2057.78 3150.38,-2011.15 R91.6.1@3151.38,-2010.15 3158.88,-2017.64 U24.6.6@3230.14,-2017.64
NetC139.6_2: C139.6.2 C141.6.1 D14.6.3 R90.6.1 U24.6.7 | length 533.2
  Top Layer w8: U24.6.7@3230.14,-2043.23 3176.23,-2097.15 R90.6.1@3150.38,-2097.15 3104.38,-2097.15 C139.6.2@3103.38,-2098.15 3221.38,-2216.15 D14.6.3@3221.38,-2364.88 3231.38,-2374.88 C141.6.1@3231.38,-2428.78
NetC139.7_1: C139.7.1 R90.7.2 R91.7.1 U24.7.6 | length 177.3
  Top Layer w8: C139.7.1@3890.78,-2058.78 3936.78,-2058.78 R90.7.2@3937.78,-2057.78 3937.78,-2011.15 R91.7.1@3938.78,-2010.15 3946.28,-2017.64 U24.7.6@4017.55,-2017.64
NetC139.7_2: C139.7.2 C141.7.1 D14.7.3 R90.7.1 U24.7.7 | length 533.2
  Top Layer w8: U24.7.7@4017.55,-2043.23 3963.63,-2097.15 R90.7.1@3937.78,-2097.15 3891.78,-2097.15 C139.7.2@3890.78,-2098.15 4008.78,-2216.15 D14.7.3@4008.78,-2364.88 4018.78,-2374.88 C141.7.1@4018.78,-2428.78
NetC139.8_1: C139.8.1 R90.8.2 R91.8.1 U24.8.6 | length 177.3
  Top Layer w8: C139.8.1@4726,-2056.69 4772,-2056.69 R90.8.2@4773,-2055.69 4773,-2009.06 R91.8.1@4774,-2008.06 4781.5,-2015.56 U24.8.6@4852.76,-2015.56
NetC139.8_2: C139.8.2 C141.8.1 D14.8.3 R90.8.1 U24.8.7 | length 533.2
  Top Layer w8: U24.8.7@4852.76,-2041.15 4798.85,-2095.06 R90.8.1@4773,-2095.06 4727,-2095.06 C139.8.2@4726,-2096.06 4844,-2214.06 D14.8.3@4844,-2362.8 4854,-2372.8 C141.8.1@4854,-2426.69
NetC140.1_1: C140.1.1 R86.1.2 R89.1.2 U24.1.3 | length 287.4
  Top Layer w8: R86.1.2@-760.76,-1749.46 -760.76,-1755.01 -721.39,-1794.38 C140.1.1@-721.39,-1796.46 -721.39,-1831.46 R89.1.2@-720.39,-1832.46 -720.39,-1859.77 -711.36,-1868.8 -682.02,-1868.8 -673.82,-1877 -673.82,-1936.17 -714.61,-1936.17 U24.1.3@-719.31,-1940.87
NetC140.2_1: C140.2.1 R86.2.2 R89.2.2 U24.2.3 | length 287.4
  Top Layer w8: R86.2.2@11.31,-1751.54 11.31,-1757.09 50.69,-1796.46 C140.2.1@50.69,-1798.54 50.69,-1833.54 R89.2.2@51.69,-1834.54 51.69,-1861.85 60.71,-1870.88 90.06,-1870.88 98.26,-1879.08 98.26,-1938.25 57.46,-1938.25 U24.2.3@52.76,-1942.95
NetC140.3_1: C140.3.1 R86.3.2 R89.3.2 U24.3.3 | length 287.4
  Top Layer w8: R86.3.2@826.49,-1749.46 826.49,-1755.01 865.86,-1794.38 C140.3.1@865.86,-1796.46 865.86,-1831.46 R89.3.2@866.86,-1832.46 866.86,-1859.77 875.89,-1868.8 905.23,-1868.8 913.44,-1877 913.44,-1936.17 872.64,-1936.17 U24.3.3@867.94,-1940.87
NetC140.4_1: C140.4.1 R86.4.2 R89.4.2 U24.4.3 | length 287.4
  Top Layer w8: R86.4.2@1613.89,-1749.46 1613.89,-1755.01 1653.26,-1794.38 C140.4.1@1653.26,-1796.46 1653.26,-1831.46 R89.4.2@1654.26,-1832.46 1654.26,-1859.77 1663.29,-1868.8 1692.64,-1868.8 1700.84,-1877 1700.84,-1936.17 1660.04,-1936.17 U24.4.3@1655.34,-1940.87
NetC140.5_1: C140.5.1 R86.5.2 R89.5.2 U24.5.3 | length 287.4
  Top Layer w8: R86.5.2@2401.29,-1749.46 2401.29,-1755.01 2440.66,-1794.38 C140.5.1@2440.66,-1796.46 2440.66,-1831.46 R89.5.2@2441.66,-1832.46 2441.66,-1859.77 2450.69,-1868.8 2480.04,-1868.8 2488.24,-1877 2488.24,-1936.17 2447.44,-1936.17 U24.5.3@2442.74,-1940.87